# Altium PCB PCB_v2.PcbDoc (part 2 of 8) (continued)
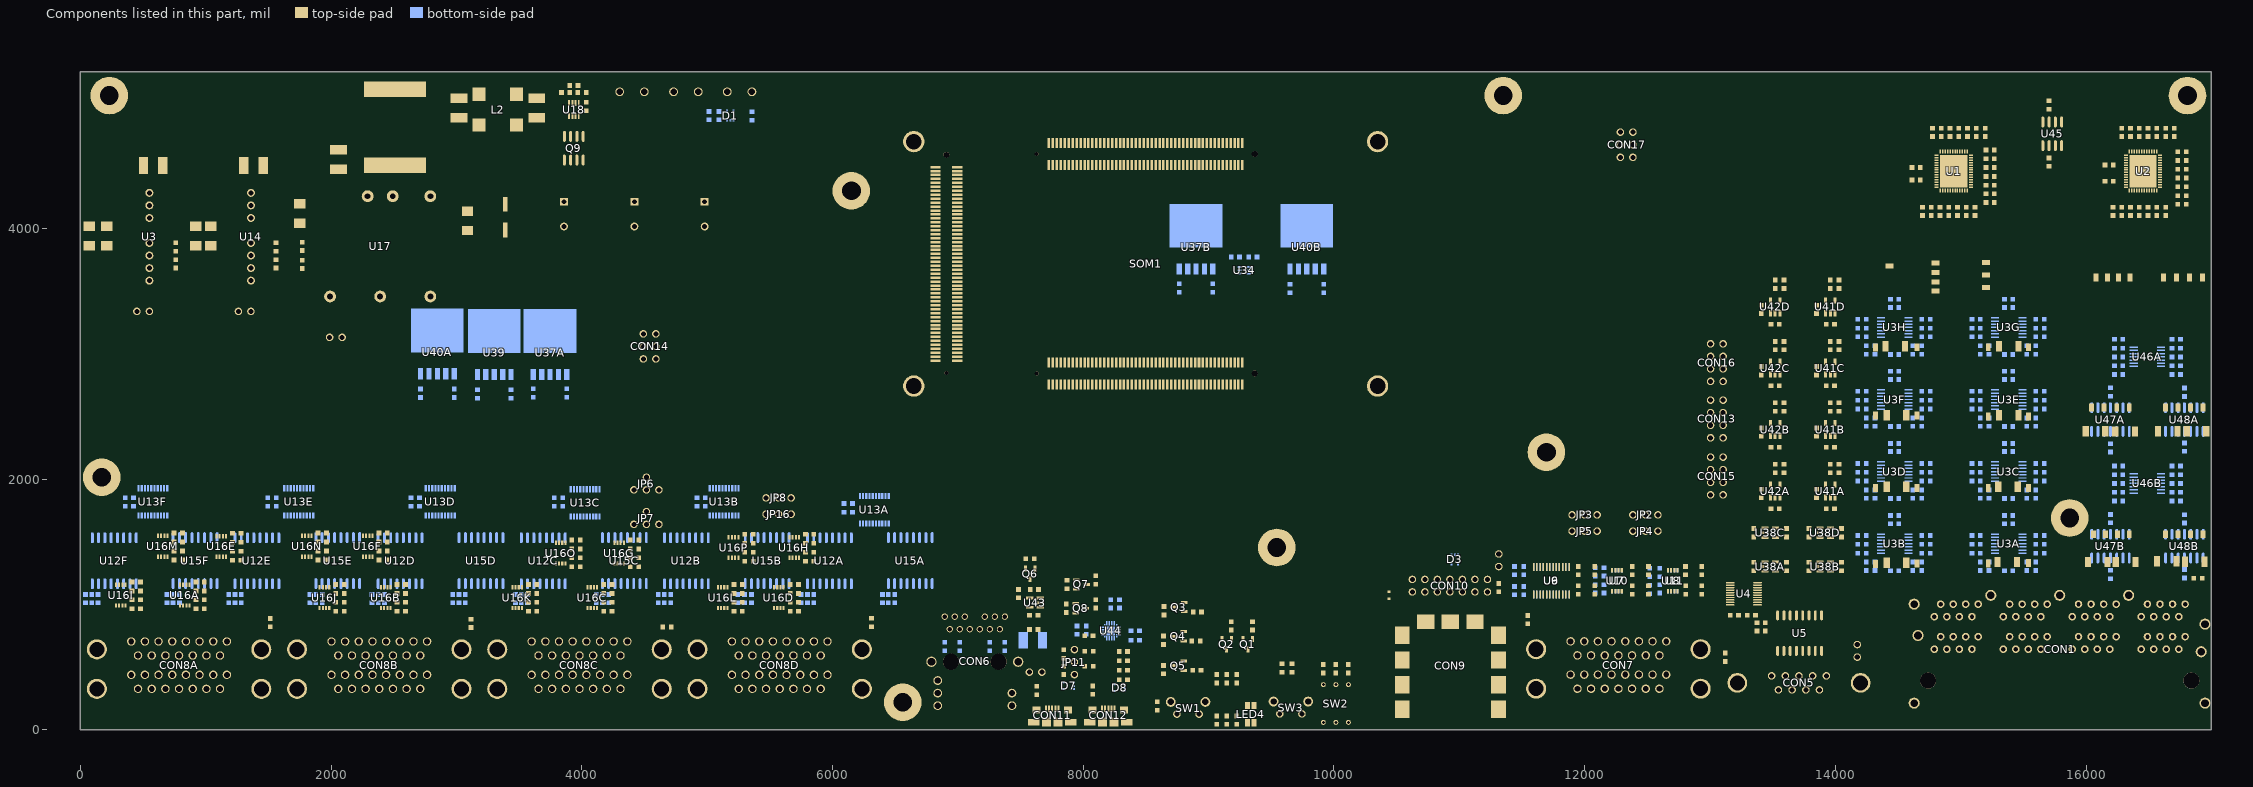
[diagram p4: the components of this part, seen from the top]
## Footprints (in the part's own frame and the unit in brackets; to place one, negate y for a bottom-side part, rotate by r counter-clockwise, add the part's x,y. Pads: shape width x height; smd on the part's side, far side on the other; paste and mask are expansions set on the pad) (continued)
  silkscreen extent -2.77,-2.9 2.55,1.55
TSSOP24 [mm] "Shrink Small Outline; 24 Leads; Body Width 4.4 mm; Pitch 0.65 mm"
  rect 0.3x1.6 smd: 1(-3.575,-2.8) 2(-2.925,-2.8) 3(-2.275,-2.8) 4(-1.625,-2.8) 5(-0.975,-2.8) 6(-0.325,-2.8) 7(0.325,-2.8) 8(0.975,-2.8) 9(1.625,-2.8) 10(2.275,-2.8) 11(2.925,-2.8) 12(3.575,-2.8) 13(3.575,2.8) 14(2.925,2.8) 15(2.275,2.8) 16(1.625,2.8) 17(0.975,2.8) 18(0.325,2.8) 19(-0.325,2.8) 20(-0.975,2.8) 21(-1.625,2.8) 22(-2.275,2.8) 23(-2.925,2.8) 24(-3.575,2.8)
  silkscreen extent -4.4,-2.92 4,1.6
TSSOP50P640-20N [mm] "TSSOP, 20-Leads, Body 5x4.4mm, Pitch 0.5mm, IPC Medium Density"
  oval 1.75x0.3 smd: 1(-2.775,2.25) 2(-2.775,1.75) 3(-2.775,1.25) 4(-2.775,0.75) 5(-2.775,0.25) 6(-2.775,-0.25) 7(-2.775,-0.75) 8(-2.775,-1.25) 9(-2.775,-1.75) 10(-2.775,-2.25) 11(2.775,-2.25) 12(2.775,-1.75) 13(2.775,-1.25) 14(2.775,-0.75) 15(2.775,-0.25) 16(2.775,0.25) 17(2.775,0.75) 18(2.775,1.25) 19(2.775,1.75) 20(2.775,2.25)
  silkscreen extent -2.9,-2.55 1.5,3.07, body extent -2.25,-2.55 2.25,2.55, height 1.2
TSSOP-20 [mm]
  rect 0.45x1.25 smd: 1(0,0) 2(0.65,0) 3(1.3,0) 4(1.95,0) 5(2.6,0) 6(3.25,0) 7(3.9,0) 8(4.55,0) 9(5.2,0) 10(5.85,0) 11(5.85,5.55) 12(5.2,5.55) 13(4.55,5.55) 14(3.9,5.55) 15(3.25,5.55) 16(2.6,5.55) 17(1.95,5.55) 18(1.3,5.55) 19(0.65,5.55) 20(0,5.55)
  silkscreen extent -1.11,-0.71 6.02,6.27, body extent -0.38,-0.53 6.22,6.07, height 1.2

## Part data
C1 C6 C11 C15 C24 C31 C37 C43: Capacitance=100pF, Case/Package=0603, Case Code (Metric)=1608, Dielectric=X7R, Manufacturer=Samsung, Manufacturer Part Number=CL10B101KB8NNNC, Max Operating Temperature=125°C, Min Operating Temperature=-55°C, Package Quantity=1, Supplier Part Number 1=1276-1909-6-ND, Tolerance=10%, Voltage Rating=50V, Case Code (Imperial)=0603, ComponentLink1Description=https://datasheet.ciiva.com/26920/getdatasheetpartid-690677-26920180.pdf, ComponentLink1URL=https://datasheet.ciiva.com/26920/getdatasheetpartid-690677-26920180.pdf, ComponentLink2Description=https://datasheet.ciiva.com/16437/cl05b104kq5nnnc-16437324.pdf, ComponentLink2URL=https://datasheet.ciiva.com/16437/cl05b104kq5nnnc-16437324.pdf, Depth=0.8mm, Height=0.8mm, Length=1.6mm, Mount="Surface Mount", Packaging="Tape and Reel", Pricing 1="1=0.1, 10=0.036, 100=0.0159, 500=0.01138, 1000=0.00894 (USD)", Radiation Hardening=No, Stock 1=40000, Supplier 1=Digi-Key, Thickness=0.035inch, Width=0.031inch
C2 C4 C5 C7 C9 C10 C12 C14 C16 C18 C25 C27 C28 C32 C34 C35 C38 C40 C44 C46 C50 C51 C52 C54 C55 C56 C57 C58 C59 C60 C63 C64 C67 C68 C71 C72 C75 C76 C79 C80 C83 C84 C91A C91B C91C C91D C91E C91F C92A C92B C92C C92D C92E C92F C93A C93B C93C C93D C93E C93F C93G C93H C93I C93J C93K C93L C93M C93N C93O C93P C94A C94B C94C C94D C94E C94F C94G C94H C94I C94J C94K C94L C94M C94N C94O C94P C95A C95B C95C C95D C95E C95F C96A C96B C96C C96D C96E C96F C97A C97B C97C C97D C97E C97F C98A C98B C98C C98D C98E C98F C99A C99B C99C C99D C99E C99F C100A C100B C100C C100D C100E C100F C172 C174 C176: Capacitance=100nF, Case/Package=0603, Case Code (Metric)=1608, Dielectric=Y5V, Manufacturer=Samsung, Manufacturer Part Number=CL10F104ZB8NNNC, Max Operating Temperature=85°C, Min Operating Temperature=-30°C, Package Quantity=1, Supplier Part Number 1=1276-1012-6-ND, Tolerance=80%, Voltage=50V, Case Code (Imperial)=0603, ComponentLink1Description=https://datasheet.ciiva.com/16396/cl10f104zb8nnnc-16396980.pdf, ComponentLink1URL=https://datasheet.ciiva.com/16396/cl10f104zb8nnnc-16396980.pdf, ComponentLink2Description=https://datasheet.ciiva.com/15195/getdatasheetpartid-355329-15195846.pdf, ComponentLink2URL=https://datasheet.ciiva.com/15195/getdatasheetpartid-355329-15195846.pdf, ComponentLink3Description=https://datasheet.ciiva.com/26310/mlcc-catalogdownload2013-eng-26310342.pdf, ComponentLink3URL=https://datasheet.ciiva.com/26310/mlcc-catalogdownload2013-eng-26310342.pdf, ComponentLink4Description=https://datasheet.ciiva.com/29198/456692-da-01-en-vs-kondensator-0603-29198848.pdf, ComponentLink4URL=https://datasheet.ciiva.com/29198/456692-da-01-en-vs-kondensator-0603-29198848.pdf, Contact Plating=Tin, Depth=0.8mm, Height=0.8mm, Length=1.6mm, Material=Ceramic, Mount="Surface Mount", Packaging="Tape and Reel", Pricing 1="1=0.1, 10=0.033, 100=0.0148, 500=0.01058, 1000=0.00832 (USD)", Radiation Hardening=No, Stock 1=40000, Supplier 1=Digi-Key, Thickness=0.035inch, Voltage Rating=50V, Width=0.031inch
C3 C8 C13 C17 C20 C21 C22 C26 C29 C30 C33 C36 C39 C41 C45: Capacitance=10uF, Case/Package=0603, Case Code (Metric)=1608, Dielectric=X5R, Manufacturer=Samsung, Manufacturer Part Number=CL10A106MQ8NNNC, Max Operating Temperature=85°C, Min Operating Temperature=-55°C, Package Quantity=1, Supplier Part Number 1=1276-1119-6-ND, Tolerance=20%, Voltage=6.3V, Case Code (Imperial)=0603, ComponentLink1Description=https://datasheet.ciiva.com/25798/cl10a106mq8nnnc-25798320.pdf, ComponentLink1URL=https://datasheet.ciiva.com/25798/cl10a106mq8nnnc-25798320.pdf, ComponentLink2Description=https://datasheet.ciiva.com/26838/getdatasheetpartid-357557-26838347.pdf, ComponentLink2URL=https://datasheet.ciiva.com/26838/getdatasheetpartid-357557-26838347.pdf, ComponentLink3Description=https://datasheet.ciiva.com/16437/cl05b104kq5nnnc-16437327.pdf, ComponentLink3URL=https://datasheet.ciiva.com/16437/cl05b104kq5nnnc-16437327.pdf, Contact Plating=Tin, Depth=0.8mm, Height=0.8mm, Length=1.6mm, Mount="Surface Mount", Packaging="Tape and Reel", Pricing 1="1=0.17, 10=0.122, 100=0.0575, 500=0.04034, 1000=0.03339 (USD)", Radiation Hardening=No, Stock 1=40000, Supplier 1=Digi-Key, Thickness=0.035inch, Voltage Rating=6.3V, Width=0.031inch
C19: Capacitance=10uF, Case/Package=0603, Case Code (Metric)=1608, Dielectric=X5R, Manufacturer=Samsung, Manufacturer Part Number=CL10A106KP8NNNC, Max Operating Temperature=85°C, Min Operating Temperature=-55°C, Package Quantity=1, Supplier Part Number 1=1276-1192-6-ND, Tolerance=10%, Voltage=6.3V, Voltage Rating=10V, Case Code (Imperial)=0603, ComponentLink1Description=https://datasheet.ciiva.com/26877/getdatasheetpartid-359551-26877881.pdf, ComponentLink1URL=https://datasheet.ciiva.com/26877/getdatasheetpartid-359551-26877881.pdf, ComponentLink2Description=https://datasheet.ciiva.com/16200/cl05b104kq5nnnc-16200766.pdf, ComponentLink2URL=https://datasheet.ciiva.com/16200/cl05b104kq5nnnc-16200766.pdf, ComponentLink3Description=https://datasheet.ciiva.com/29198/457369-da-01-en-vs-kondensator-0603-29198790.pdf, ComponentLink3URL=https://datasheet.ciiva.com/29198/457369-da-01-en-vs-kondensator-0603-29198790.pdf, ComponentLink4Description=https://datasheet.ciiva.com/25798/cl10a106mq8nnnc-25798320.pdf, ComponentLink4URL=https://datasheet.ciiva.com/25798/cl10a106mq8nnnc-25798320.pdf, ComponentLink5Description=https://datasheet.ciiva.com/26838/getdatasheetpartid-357557-26838347.pdf, ComponentLink5URL=https://datasheet.ciiva.com/26838/getdatasheetpartid-357557-26838347.pdf, ComponentLink6Description=https://datasheet.ciiva.com/16437/cl05b104kq5nnnc-16437327.pdf, ComponentLink6URL=https://datasheet.ciiva.com/16437/cl05b104kq5nnnc-16437327.pdf, Contact Plating=Tin, Depth=0.8mm, Height=0.8mm, Lead Free="Lead Free", Length=1.6mm, Material=Ceramic, Mount="Surface Mount", Packaging="Tape and Reel", Pricing 1="1=0.36, 10=0.248, 100=0.1403, 500=0.099, 1000=0.08663 (USD)", Pricing 2="1=0.17, 10=0.122, 100=0.0575, 500=0.04034, 1000=0.03339 (USD)", Radiation Hardening=No, Stock 1=40000, Stock 2=40000, Supplier 1=Digi-Key, Supplier 2=Digi-Key, Supplier Part Number 2=1276-1119-6-ND, Thickness=0.035inch, Voltage Rating (DC)=10V, Width=0.031inch
C23 C42 C53 C61 C62 C65 C66 C69 C70 C73 C74 C77 C78 C81 C82 C89A C89B C89C C89D C89E C89F C89G C89H C89I C89J C89K C89L C89M C89N C89O C89P C90A C90B C90C C90D C90E C90F C90G C90H C90I C90J C90K C90L C90M C90N C90O C90P C159A C159B C159C C159D C160A C160B C160C C160D C177 C179A C179B C180A C180B C183A C183B C184A C184B C187A C187B C188A C188B C189A C189B C189C C189D C189E C189F C189G C189H C190A C190B C190C C190D C190E C190F C190G C190H: Capacitance=1uF, Case/Package=0603, Case Code (Metric)=1608, Manufacturer=Samsung, Manufacturer Part Number=CL10B105MO8NNWC, Max Operating Temperature=125°C, Min Operating Temperature=-55°C, Supplier Part Number 1=1276-6524-6-ND, Tolerance=20%, Voltage Rating=16V, Case Code (Imperial)=0603, ComponentLink1Description=http://www.samsungsem.com/kr/support/product-search/mlcc/CL10B105MO8NNWC.jsp, ComponentLink1URL=http://www.samsungsem.com/kr/support/product-search/mlcc/CL10B105MO8NNWC.jsp, Length=0.063inch, Mount="Surface Mount", Packaging="Tape and Reel", Pricing 1="1=0.1, 10=0.032, 100=0.0142, 500=0.01016, 1000=0.00798 (USD)", Stock 1=40000, Supplier 1=Digi-Key, Thickness=0.035inch, Width=0.031inch
C47A C47B C47C C47D C47E C47F C47G C47H C49A C49B C49C C49D C49E C49F C49G C49H: Capacitance=1nF, Case/Package=0603, Dielectric=X7R, Dielectric Material=Ceramic, Manufacturer=KEMET, Manufacturer Part Number=C0603C102J5RAC7867, Max Operating Temperature=125°C, Min Operating Temperature=-55°C, Supplier Part Number 1=399-1083-6-ND, Tolerance=5%, Voltage Rating (DC)=50V, ComponentLink1Description=https://datasheet.ciiva.com/45846/docfinderpartnumberc0402c102k5ractu-45846924.pdf, ComponentLink1URL=https://datasheet.ciiva.com/45846/docfinderpartnumberc0402c102k5ractu-45846924.pdf, Depth=0.8mm, Height=0.8mm, Length=1.6mm, Mount="Surface Mount", Packaging="Tape and Reel", Pricing 1="1=0.1, 10=0.051, 100=0.0225, 500=0.0161, 1000=0.01265 (USD)", Radiation Hardening=No, Stock 1=40000, Supplier 1=Digi-Key
C48A C48B C48C C48D C48E C48F C48G C48H: Capacitance=33nF, Case/Package=0603, Case Code (Metric)=1608, Dielectric=X7R, Manufacturer=Samsung, Manufacturer Part Number=CL10B333KA8NNNC, Max Operating Temperature=125°C, Min Operating Temperature=-55°C, Package Quantity=1, Supplier Part Number 1=1276-2038-6-ND, Tolerance=10%, Voltage Rating=25V, Case Code (Imperial)=0603, ComponentLink1Description=https://datasheet.ciiva.com/25781/cl10b333ka8nnnc-25781520.pdf, ComponentLink1URL=https://datasheet.ciiva.com/25781/cl10b333ka8nnnc-25781520.pdf, ComponentLink2Description=https://datasheet.ciiva.com/16218/cl05b104kq5nnnc-16218987.pdf, ComponentLink2URL=https://datasheet.ciiva.com/16218/cl05b104kq5nnnc-16218987.pdf, ComponentLink3Description=https://datasheet.ciiva.com/26838/getdatasheetpartid-745367-26838459.pdf, ComponentLink3URL=https://datasheet.ciiva.com/26838/getdatasheetpartid-745367-26838459.pdf, Depth=0.8mm, Height=0.8mm, Lead Free="Lead Free", Length=1.6mm, Mount="Surface Mount", Packaging="Tape and Reel", Pricing 1="1=0.1, 10=0.051, 100=0.0225, 500=0.0161, 1000=0.01265 (USD)", Radiation Hardening=No, Stock 1=40000, Supplier 1=Digi-Key, Thickness=0.035inch, Voltage Rating (DC)=25V, Width=0.031inch
C87 C105 C109 C110 C112 C113: Capacitance=1nF, Case/Package=1808, Case Code (Metric)=4520, Dielectric=X7R, Manufacturer=Johanson, Manufacturer Part Number=202R29W102KV4E, Max Operating Temperature=125°C, Min Operating Temperature=-55°C, Package Quantity=2000, Supplier Part Number 1=709-1046-6-ND, Tolerance=10%, Voltage Rating=2kV, Case Code (Imperial)=1808, ComponentLink1Description=https://datasheet.ciiva.com/15218/getdatasheetpartid-178780-15218981.pdf, ComponentLink1URL=https://datasheet.ciiva.com/15218/getdatasheetpartid-178780-15218981.pdf, ComponentLink2Description=https://datasheet.ciiva.com/8032/87135-8032170.pdf, ComponentLink2URL=https://datasheet.ciiva.com/8032/87135-8032170.pdf, ComponentLink3Description=https://datasheet.ciiva.com/22693/1909358-22693786.pdf, ComponentLink3URL=https://datasheet.ciiva.com/22693/1909358-22693786.pdf, ComponentLink4Description=https://datasheet.ciiva.com/28453/1909358-28453514.pdf, ComponentLink4URL=https://datasheet.ciiva.com/28453/1909358-28453514.pdf, Depth=2.03mm, Height=2.16mm, Length=4.8mm, Mount="Surface Mount", Number of Pins=2, Packaging="Tape and Reel", Pricing 1="1=0.77, 10=0.541, 100=0.3566, 500=0.26414, 1000=0.22451 (USD)", Radiation Hardening=No, REACH SVHC="No SVHC", Stock 1=20000, Supplier 1=Digi-Key, Termination=SMD/SMT, Thickness=0.085inch, Voltage Rating (DC)=2kV, Width=2.03mm
C88 C115 C116: Capacitance=10uF, Case/Package=0603, Case Code (Metric)=1608, Dielectric=X5R, Dielectric Material=Ceramic, Manufacturer=TDK, Manufacturer Part Number=C1608X5R1E106M080AC, Max Operating Temperature=85°C, Min Operating Temperature=-55°C, Package Quantity=1, Supplier Part Number 1=445-9015-6-ND, Tolerance=20%, Voltage Rating=25V, Case Code (Imperial)=0603, ComponentLink1Description=https://product.tdk.com/info/en/catalog/datasheets/mlcc_commercial_general_en.pdf, ComponentLink1URL=https://product.tdk.com/info/en/catalog/datasheets/mlcc_commercial_general_en.pdf, ComponentLink2Description=http://www.farnell.com/datasheets/2291921.pdf, ComponentLink2URL=http://www.farnell.com/datasheets/2291921.pdf, ComponentLink3Description=http://www.farnell.com/datasheets/1913358.pdf, ComponentLink3URL=http://www.farnell.com/datasheets/1913358.pdf, ComponentLink4Description=http://components.arrow.com/part/dataview/57436044S459551N1165, ComponentLink4URL=http://components.arrow.com/part/dataview/57436044S459551N1165, ComponentLink5Description=http://components.arrow.com/part/dataview/0323_06887183, ComponentLink5URL=http://components.arrow.com/part/dataview/0323_06887183, Composition=Ceramic, Depth=0.8mm, Height=0.8mm, Lead Free="Lead Free", Length=1.6mm, Mount="Surface Mount", Packaging="Tape and Reel", Pricing 1="1=0.96, 10=0.704, 100=0.483, 500=0.38238, 1000=0.322 (USD)", REACH SVHC="No SVHC", Stock 1=40000, Supplier 1=Digi-Key, Termination=SMD/SMT, Thickness=0.039inch, Voltage Rating (DC)=25V, Weight=7.1E-05oz, Width=0.8mm
C101: "Polarized Capacitor (Radial)", Capacitance=100uF, Case/Package=Radial, Dielectric Material=Aluminium, Leakage Current=3uA, Manufacturer=Nichicon, Manufacturer Part Number=UWT1V101MCL1GS, Max Operating Temperature=105°C, Min Operating Temperature=-55°C, Package Quantity=900, Ripple Current=84mA, Supplier Part Number 1=493-2203-6-ND, Tolerance=20%, Voltage=35V, ComponentLink1Description=https://datasheet.ciiva.com/96/e-wt-96659.pdf, ComponentLink1URL=https://datasheet.ciiva.com/96/e-wt-96659.pdf, ComponentLink2Description=https://datasheet.ciiva.com/96/e-wt-96660.pdf, ComponentLink2URL=https://datasheet.ciiva.com/96/e-wt-96660.pdf, ComponentLink3Description=https://datasheet.ciiva.com/96/e-wt-96661.pdf, ComponentLink3URL=https://datasheet.ciiva.com/96/e-wt-96661.pdf, ComponentLink4Description=https://datasheet.ciiva.com/11778/0900766b80fa3a91-11778473.pdf, ComponentLink4URL=https://datasheet.ciiva.com/11778/0900766b80fa3a91-11778473.pdf, ComponentLink5Description=https://datasheet.ciiva.com/15199/getdatasheetpartid-450031-15199274.pdf, ComponentLink5URL=https://datasheet.ciiva.com/15199/getdatasheetpartid-450031-15199274.pdf, ComponentLink6Description=https://datasheet.ciiva.com/17528/e-wt-17528043.pdf, ComponentLink6URL=https://datasheet.ciiva.com/17528/e-wt-17528043.pdf, ComponentLink7Description=https://datasheet.ciiva.com/11687/e-wt-11687372.pdf, ComponentLink7URL=https://datasheet.ciiva.com/11687/e-wt-11687372.pdf, ComponentLink8Description=https://datasheet.ciiva.com/16294/e-wt-16294316.pdf, ComponentLink8URL=https://datasheet.ciiva.com/16294/e-wt-16294316.pdf, Diameter=6.3mm, Dissipation Factor=0.14%, Height=7.7mm, Height - Seated (Max)=0.303inch, Lead Diameter=0.8mm, Lead Free="Lead Free", Lead Pitch=2.2mm, Length=7.7mm, Life (Hours)=1000Hour, Mount="Surface Mount,PCB", Number of Pins=2, Packaging="Tape and Reel", Pricing 1="1=0.39, 10=0.274, 100=0.1641 (USD)", Radiation Hardening=No, REACH SVHC="No SVHC", Ripple Current (AC)=84mA, Supplier 1=Digi-Key, Termination=SMD/SMT, Voltage Rating=35V, Voltage Rating (DC)=35V
C102 C103 C104: "Polarized Capacitor (Radial)", Capacitance=1000uF, Case/Package=Radial, Dielectric Material=Aluminium, Leakage Current=1.5mA, Manufacturer=Nichicon, Manufacturer Part Number=UVR1H102MHD1TO, Max Operating Temperature=85°C, Min Operating Temperature=-40°C, Package Quantity=500, Ripple Current=1.35A, Supplier Part Number 1=493-12786-1-ND, Tolerance=20%, Voltage=50V, ComponentLink1Description=https://datasheet.ciiva.com/5333/e-vr-6088-5333431.pdf, ComponentLink1URL=https://datasheet.ciiva.com/5333/e-vr-6088-5333431.pdf, ComponentLink2Description=https://datasheet.ciiva.com/28592/1909356-28592506.pdf, ComponentLink2URL=https://datasheet.ciiva.com/28592/1909356-28592506.pdf, ComponentLink3Description=https://datasheet.ciiva.com/7781/e-vr-7781741.pdf, ComponentLink3URL=https://datasheet.ciiva.com/7781/e-vr-7781741.pdf, ComponentLink4Description=https://datasheet.ciiva.com/29547/e-vr-29547646.pdf, ComponentLink4URL=https://datasheet.ciiva.com/29547/e-vr-29547646.pdf, ComponentLink5Description=https://datasheet.ciiva.com/14597/70187464-14597647.pdf, ComponentLink5URL=https://datasheet.ciiva.com/14597/70187464-14597647.pdf, ComponentLink6Description=https://datasheet.ciiva.com/16512/e-vr-16512911.pdf, ComponentLink6URL=https://datasheet.ciiva.com/16512/e-vr-16512911.pdf, ComponentLink7Description=https://datasheet.ciiva.com/29547/e-vr-29547647.pdf, ComponentLink7URL=https://datasheet.ciiva.com/29547/e-vr-29547647.pdf, Contact Plating=Tin, Diameter=12.5mm, Dissipation Factor=0.12%, Height=25mm, Height - Seated (Max)=1.063inch, Lead Diameter=0.6mm, Lead Free="Lead Free", Lead Pitch=5mm, Length=25mm, Life (Hours)=2000Hour, Mount="Through Hole,PCB", Number of Pins=2, Packaging="Tape and Reel", Pricing 1="1=0.94, 10=0.714, 100=0.511 (USD)", REACH SVHC="No SVHC", Stock 1=23653, Supplier 1=Digi-Key, Termination=Radial, Voltage Rating=50V, Voltage Rating (DC)=50V
C106 C107 C108 C111 C114: Capacitance=6.8uF, Case/Package=1812, Case Code (Metric)=4532, Dielectric=X7R, Dielectric Material=Ceramic, Manufacturer=TDK, Manufacturer Part Number=C4532X7R1H685K250KB, Max Operating Temperature=125°C, Min Operating Temperature=-55°C, Package Quantity=1, Supplier Part Number 1=445-3919-6-ND, Tolerance=10%, Voltage=50V, Case Code (Imperial)=1812, ComponentLink1Description=https://datasheet.ciiva.com/7878/1571323-7878149.pdf, ComponentLink1URL=https://datasheet.ciiva.com/7878/1571323-7878149.pdf, ComponentLink2Description=https://datasheet.ciiva.com/22694/1796654-22694197.pdf, ComponentLink2URL=https://datasheet.ciiva.com/22694/1796654-22694197.pdf, ComponentLink3Description=https://datasheet.ciiva.com/17487/e412-c-17487174.pdf, ComponentLink3URL=https://datasheet.ciiva.com/17487/e412-c-17487174.pdf, ComponentLink4Description=https://datasheet.ciiva.com/6253/tdkmlcccaprange-6253335.pdf, ComponentLink4URL=https://datasheet.ciiva.com/6253/tdkmlcccaprange-6253335.pdf, ComponentLink5Description=https://datasheet.ciiva.com/22648/1796654-22648727.pdf, ComponentLink5URL=https://datasheet.ciiva.com/22648/1796654-22648727.pdf, ComponentLink6Description=https://datasheet.ciiva.com/24218/c4532x7r1h685k250kb-265674-24218375.pdf, ComponentLink6URL=https://datasheet.ciiva.com/24218/c4532x7r1h685k250kb-265674-24218375.pdf, ComponentLink7Description=https://datasheet.ciiva.com/6154/1571323-6154009.pdf, ComponentLink7URL=https://datasheet.ciiva.com/6154/1571323-6154009.pdf, ComponentLink8Description=https://datasheet.ciiva.com/11788/0900766b80c1bb00-11788313.pdf, ComponentLink8URL=https://datasheet.ciiva.com/11788/0900766b80c1bb00-11788313.pdf, ComponentLink9Description=https://datasheet.ciiva.com/6253/tdkmlcccaprange-6253338.pdf, ComponentLink9URL=https://datasheet.ciiva.com/6253/tdkmlcccaprange-6253338.pdf, Composition=Ceramic, Depth=3.2mm, Height=2.5mm, Lead Free="Lead Free", Length=4.5mm, Mount="Surface Mount", Number of Pins=2, Packaging="Tape and Reel", Pricing 1="1=1.62, 10=1.281, 100=0.9606 (USD)", Radiation Hardening=No, REACH SVHC="No SVHC", Stock 1=5000, Supplier 1=Digi-Key, Termination=SMD/SMT, Thickness=0.11inch, Voltage Rating=50V, Voltage Rating (DC)=50V, Weight=0.000952oz, Width=0.126inch
C157A C157B C158A C158B C161 C162 C163A C163B C164A C164B: Capacitance=10uF, Case/Package=0603, Case Code (Metric)=1608, Dielectric=X5R, Manufacturer=Samsung, Manufacturer Part Number=CL10A106KP8NNNC, Max Operating Temperature=85°C, Min Operating Temperature=-55°C, Package Quantity=1, Supplier Part Number 1=1276-1192-6-ND, Tolerance=10%, Voltage Rating=10V, Case Code (Imperial)=0603, ComponentLink1Description=https://datasheet.ciiva.com/26877/getdatasheetpartid-359551-26877881.pdf, ComponentLink1URL=https://datasheet.ciiva.com/26877/getdatasheetpartid-359551-26877881.pdf, ComponentLink2Description=https://datasheet.ciiva.com/16200/cl05b104kq5nnnc-16200766.pdf, ComponentLink2URL=https://datasheet.ciiva.com/16200/cl05b104kq5nnnc-16200766.pdf, ComponentLink3Description=https://datasheet.ciiva.com/29198/457369-da-01-en-vs-kondensator-0603-29198790.pdf, ComponentLink3URL=https://datasheet.ciiva.com/29198/457369-da-01-en-vs-kondensator-0603-29198790.pdf, Contact Plating=Tin, Depth=0.8mm, Height=0.8mm, Lead Free="Lead Free", Length=1.6mm, Material=Ceramic, Mount="Surface Mount", Packaging="Tape and Reel", Pricing 1="1=0.36, 10=0.248, 100=0.1403, 500=0.099, 1000=0.08663 (USD)", Radiation Hardening=No, Stock 1=40000, Supplier 1=Digi-Key, Thickness=0.035inch, Voltage Rating (DC)=10V, Width=0.031inch
C165A C165B C165C C165D C166A C166B C166C C166D C167A C167B C167C C167D C168A C168B C168C C168D C169 C173 C175 C178: Capacitance=2.2uF, Case/Package=0603, Case Code (Metric)=1608, Dielectric=X5R, Manufacturer=Murata, Manufacturer Part Number=GRM188R6YA225MA12D, Max Operating Temperature=85°C, Min Operating Temperature=-55°C, Package Quantity=4000, Supplier Part Number 1=490-10486-6-ND, Tolerance=20%, Voltage Rating=35V, Case Code (Imperial)=0603, ComponentLink1Description=http://search.murata.co.jp/Ceramy/image/img/A01X/G101/ENG/GRM188R6YA225MA12-01.pdf, ComponentLink1URL=http://search.murata.co.jp/Ceramy/image/img/A01X/G101/ENG/GRM188R6YA225MA12-01.pdf, ComponentLink2Description=http://search.murata.co.jp/Ceramy/image/img/A01X/partnumbering_e_01.pdf, ComponentLink2URL=http://search.murata.co.jp/Ceramy/image/img/A01X/partnumbering_e_01.pdf, ComponentLink3Description=http://www.mouser.com/ds/2/281/c02e-2905.pdf, ComponentLink3URL=http://www.mouser.com/ds/2/281/c02e-2905.pdf, Height=0.8mm, Length=0.063inch, Mount="Surface Mount", Packaging="Tape and Reel", Pricing 1="1=0.21, 10=0.142, 100=0.0721, 500=0.04934, 1000=0.04364 (USD)", Stock 1=30635, Supplier 1=Digi-Key, Termination=SMD/SMT, Thickness=0.035inch, Voltage Rating (DC)=35V, Weight=0.000222oz, Width=0.031inch
C170: Capacitance=100uF, Case/Package=1812, Case Code (Metric)=4532, Dielectric=X5R, Dielectric Material=Ceramic, Manufacturer=TDK, Manufacturer Part Number=C4532X5R1A107M280KC, Max Operating Temperature=85°C, Min Operating Temperature=-55°C, Package Quantity=1, Supplier Part Number 1=445-7743-6-ND, Tolerance=20%, Voltage Rating=10V, Case Code (Imperial)=1812, ComponentLink1Description=https://datasheet.ciiva.com/6258/tdkmlcccaprange-6258407.pdf, ComponentLink1URL=https://datasheet.ciiva.com/6258/tdkmlcccaprange-6258407.pdf, ComponentLink2Description=https://datasheet.ciiva.com/24216/c4532x5r1a107m280kc-265401-24216024.pdf, ComponentLink2URL=https://datasheet.ciiva.com/24216/c4532x5r1a107m280kc-265401-24216024.pdf, ComponentLink3Description=https://datasheet.ciiva.com/6258/tdkmlcccaprange-6258410.pdf, ComponentLink3URL=https://datasheet.ciiva.com/6258/tdkmlcccaprange-6258410.pdf, ComponentLink4Description=https://datasheet.ciiva.com/24486/1812c4532x5r1a107m280kc-24486251.pdf, ComponentLink4URL=https://datasheet.ciiva.com/24486/1812c4532x5r1a107m280kc-24486251.pdf, ComponentLink5Description=https://datasheet.ciiva.com/6258/tdkmlcccaprange-6258413.pdf, ComponentLink5URL=https://datasheet.ciiva.com/6258/tdkmlcccaprange-6258413.pdf, Composition=Ceramic, Depth=3.2mm, Height=2.5mm, Lead Free="Lead Free", Length=4.5mm, Mount="Surface Mount", Number of Pins=2, Packaging="Tape and Reel", Pricing 1="1=2.2, 10=1.779, 100=1.3584 (USD)", Radiation Hardening=No, REACH SVHC="No SVHC", Stock 1=5000, Supplier 1=Digi-Key, Termination=SMD/SMT, Thickness=0.122inch, Voltage Rating (DC)=10V, Weight=0.000952oz, Width=0.126inch
C171: Capacitance=22uF, Case/Package=0603, Case Code (Metric)=1608, Manufacturer=Samsung, Manufacturer Part Number=CL10A226MPCNUBE, Max Operating Temperature=85°C, Min Operating Temperature=-55°C, Supplier Part Number 1=1276-6504-6-ND, Tolerance=20%, Voltage Rating=10V, Case Code (Imperial)=0603, ComponentLink1Description=http://www.samsungsem.com/kr/support/product-search/mlcc/CL10A226MPCNUBE.jsp, ComponentLink1URL=http://www.samsungsem.com/kr/support/product-search/mlcc/CL10A226MPCNUBE.jsp, ComponentLink2Description=http://www.samsungsem.com/kr/support/library/product-catalog/mlcc.jsp, ComponentLink2URL=http://www.samsungsem.com/kr/support/library/product-catalog/mlcc.jsp, Length=0.063inch, Mount="Surface Mount", Packaging="Tape and Reel", Pricing 1="1=0.4, 10=0.272, 100=0.1539, 500=0.10864, 1000=0.09505 (USD)", Stock 1=30000, Supplier 1=Digi-Key, Thickness=0.037inch, Width=0.031inch
C181A C181B C182A C182B C185A C185B C186A C186B: Capacitance=33nF, Case/Package=1206, Case Code (Metric)=3216, Dielectric=X7R, Dielectric Material=Ceramic, Manufacturer="Kyocera AVX", Manufacturer Part Number=12065C333KAT2A, Max Operating Temperature=125°C, Min Operating Temperature=-55°C, Package Quantity=1, Supplier Part Number 1=478-1548-6-ND, Tolerance=10%, Voltage=50V, Case Code (Imperial)=1206, ComponentLink1Description=https://datasheet.ciiva.com/25613/0900766b802d4697-25613091.pdf, ComponentLink1URL=https://datasheet.ciiva.com/25613/0900766b802d4697-25613091.pdf, ComponentLink2Description=https://datasheet.ciiva.com/151/cx7r-151861.pdf, ComponentLink2URL=https://datasheet.ciiva.com/151/cx7r-151861.pdf, ComponentLink3Description=https://datasheet.ciiva.com/7833/cx7r-7833445.pdf, ComponentLink3URL=https://datasheet.ciiva.com/7833/cx7r-7833445.pdf, ComponentLink4Description=https://datasheet.ciiva.com/16543/cx7r-16543717.pdf, ComponentLink4URL=https://datasheet.ciiva.com/16543/cx7r-16543717.pdf, ComponentLink5Description=https://datasheet.ciiva.com/151/cx7r-151862.pdf, ComponentLink5URL=https://datasheet.ciiva.com/151/cx7r-151862.pdf, ComponentLink6Description=https://datasheet.ciiva.com/151/cx7r-151863.pdf, ComponentLink6URL=https://datasheet.ciiva.com/151/cx7r-151863.pdf, ComponentLink7Description=https://datasheet.ciiva.com/11787/0900766b802d4698-11787159.pdf, ComponentLink7URL=https://datasheet.ciiva.com/11787/0900766b802d4698-11787159.pdf, ComponentLink8Description=https://datasheet.ciiva.com/5412/cx7r-218113-5412600.pdf, ComponentLink8URL=https://datasheet.ciiva.com/5412/cx7r-218113-5412600.pdf, ComponentLink9Description=https://datasheet.ciiva.com/19475/740527-19475934.pdf, ComponentLink9URL=https://datasheet.ciiva.com/19475/740527-19475934.pdf, ComponentLink10Description=https://datasheet.ciiva.com/2988/cx7r-2988143.pdf, ComponentLink10URL=https://datasheet.ciiva.com/2988/cx7r-2988143.pdf, ComponentLink11Description=https://datasheet.ciiva.com/11521/cx7r-11521055.pdf, ComponentLink11URL=https://datasheet.ciiva.com/11521/cx7r-11521055.pdf, Contact Plating=Tin,Matte, Depth=1.6mm, Dissipation Factor=2.5%, Height=0.94mm, Lead Free="Lead Free", Length=3.2mm, Mount="Surface Mount", Number of Pins=2, Packaging="Tape and Reel", Pricing 1="1=0.36, 10=0.25, 100=0.1417, 500=0.10006, 1000=0.08754 (USD)", REACH SVHC=Unknown, Stock 1=21, Supplier 1=Digi-Key, Termination=SMD/SMT, Thickness=0.037inch, Voltage Rating=50V, Voltage Rating (DC)=50V, Width=1.6mm
CON1: "CONN MOD JACK 8P8C R/A SHIELDED", Flammability Rating="UL94 V-0", Housing Colour=Black, Manufacturer="TE Connectivity", Max Operating Temperature=80°C, Max Voltage Rating (AC)=150V, Min Operating Temperature=-40°C, Package Quantity=10, Supplier Part Number 1=A115463-ND, Approvals=UL,CSA, ComponentLink1Description=https://datasheet.ciiva.com/18490/eng-cd-5569257-a1-18490850.pdf, ComponentLink1URL=https://datasheet.ciiva.com/18490/eng-cd-5569257-a1-18490850.pdf, ComponentLink2Description=https://datasheet.ciiva.com/687/eng-cd-5569257-a1-687411.pdf, ComponentLink2URL=https://datasheet.ciiva.com/687/eng-cd-5569257-a1-687411.pdf, ComponentLink3Description=https://datasheet.ciiva.com/16398/5569257-1-16398308.pdf, ComponentLink3URL=https://datasheet.ciiva.com/16398/5569257-1-16398308.pdf, ComponentLink4Description=https://datasheet.ciiva.com/14619/70042889-14619676.pdf, ComponentLink4URL=https://datasheet.ciiva.com/14619/70042889-14619676.pdf, Connector Type=Jack, Contact Material=Bronze, Contact Plating=Gold, Depth=28.7mm, Direction="Up and Down", ELV=Compliant, Gender=Female, Housing Material=Polyester, Keyed=No, Lead Free="Lead Free", Length=59.18mm, Manufacturer Part Number=5569257-1, Number of Contacts=64, Number of Ports=8, Number of Positions=8, Number of Positions Loaded=64, Number of Rows=2, Orientation="Right Angle", Packaging=Tray, PCB Mounting Orientation="Right Angle", PCB Thickness=1.57mm, Pitch=2.54mm, Pricing 1="1=23.07, 10=20.825, 25=19.952, 50=18.705, 100=18.0815, 250=17.08392, 500=16.5851 (USD)", Radiation Hardening=No, Shielding=Shielded, Stock 1=80, Supplier 1=Digi-Key, Tail Length=3.56mm, Termination=Solder, Width=59.18mm
CON2 CON3 CON4: Case/Package=300, Current Rating=10A, Manufacturer="Phoenix Contact", Manufacturer Part Number=PT1,5/2-5.0-H, Supplier Part Number 1=277-1667-ND, Voltage Rating=300V, ComponentLink1Description=https://datasheet.ciiva.com/8033/528649-8033190.pdf, ComponentLink1URL=https://datasheet.ciiva.com/8033/528649-8033190.pdf, ComponentLink2Description=https://datasheet.ciiva.com/5765/528649-5765531.pdf, ComponentLink2URL=https://datasheet.ciiva.com/5765/528649-5765531.pdf, Number of Contacts=2, Pricing 1="1=0.41, 10=0.391, 50=0.374, 100=0.3638, 250=0.34, 500=0.3128, 1000=0.289 (USD)", REACH SVHC=Unknown, Stock 1=32456, Supplier 1=Digi-Key, Wire/Cable Gauge=26AWG
CON5: "CONN D-SUB RCPT 9POS R/A SOLDER", Manufacturer=Assmann, Manufacturer Part Number=A-DF09A/KG-T2S, Supplier Part Number 1=AE10921-ND, ComponentLink1Description=http://www.assmann-wsw.com/fileadmin/datasheets/ASS_4888_CO.pdf, ComponentLink1URL=http://www.assmann-wsw.com/fileadmin/datasheets/ASS_4888_CO.pdf, Number of Pins=9, Pricing 1="1=0.77, 10=0.681, 25=0.6408, 50=0.6142, 100=0.5874, 250=0.534, 500=0.4806, 1000=0.4272, 2500=0.38715 (USD)", Stock 1=28248, Supplier 1=Digi-Key
CON6: Case/Package=Metal, Colour=Green,Orange,Yellow,Silver, Manufacturer=Bel, Package Quantity=60, Supplier Part Number 1=380-1110-ND, ComponentLink1Description=https://datasheet.ciiva.com/688/l829-1j1t-43-688142.pdf, ComponentLink1URL=https://datasheet.ciiva.com/688/l829-1j1t-43-688142.pdf, ComponentLink2Description=https://datasheet.ciiva.com/41445/001196192-da-01-en-magjack-1xrj45-mit-leds-ulp-41445652.pdf, ComponentLink2URL=https://datasheet.ciiva.com/41445/001196192-da-01-en-magjack-1xrj45-mit-leds-ulp-41445652.pdf, Connector Type=RJ45,Socket, Contact Material=Gold, Contact Plating=Gold, Depth=24.13mm, Direction=Up, Housing Material=Thermoplastic, Length=17.78mm, Manufacturer Part Number=L829-1J1T-43, Mount="Through Hole", Number of Contacts=8, Number of Cores per Jack=8, Number of Ports=1, Number of Positions Loaded=8, Number of Rows=1, Orientation="Right Angle", Packaging=Tray, Pitch=2.03mm, Pricing 1="1=5.73, 10=5.496, 25=5.038, 50=4.809, 100=4.58, 250=4.00752, 500=3.893, 1000=3.3205, 2500=3.0915 (USD)", Shielding=Shielded, Stock 1=15163, Supplier 1=Digi-Key, Termination=Solder
CON7 CON8A CON8B CON8C CON8D: "CONN D-SUB RCPT 15POS R/A SLDR", Colour=Black, Current Rating=5A, Flammability Rating="UL94 V-0", Manufacturer=NorComp, Max Operating Temperature=105°C, Min Operating Temperature=-55°C, Package Quantity=35, Supplier Part Number 1=1115FFE-ND, Body Material=Steel, ComponentLink1Description=https://datasheet.ciiva.com/16342/178-yyy-513r571-16342488.pdf, ComponentLink1URL=https://datasheet.ciiva.com/16342/178-yyy-513r571-16342488.pdf, ComponentLink2Description=https://datasheet.ciiva.com/656/178-yyy-513r571-656074.pdf, ComponentLink2URL=https://datasheet.ciiva.com/656/178-yyy-513r571-656074.pdf, Connector Type=D-Sub,Receptacle,Signal, Contact Material=Brass, Contact Plating=Gold, Features=Shielded, Gender="Female to Female", Height=31.8mm, Housing Colour=Black, Housing Material=Nylon, Lead Free="Lead Free", Length=39mm, Manufacturer Part Number=178-015-513R571, Material=Metal, Mount="Through Hole,Edge", Number of Contacts=15, Number of Positions=15, Number of Rows=2, Packaging=Tray, Plating=Tin, Pricing 1="1=9.34, 10=8.932, 25=8.12, 50=7.714, 100=7.511, 250=6.699, 500=6.293, 1000=5.5622 (USD)", REACH SVHC="No SVHC", Shell Material=Tin, Stock 1=6279, Supplier 1=Digi-Key, Termination="Through Hole", Width=25.4mm
CON9: Manufacturer=Digilent, Manufacturer Part Number=410-308-B, Supplier Part Number 1=1286-1192-ND, Pricing 1="1=49 (USD)", Stock 1=0, Supplier 1=Digi-Key
CON10: Colour=Black, Current Rating=3A, Flammability Rating="UL94 V-0", Insulation Resistance=5GR, Manufacturer="Amphenol FCI", Manufacturer Part Number=67997-410HLF, Max Operating Temperature=125°C, Max Voltage Rating (AC)=1.5kV, Min Operating Temperature=-65°C, Package Quantity=100, Supplier Part Number 1=609-3243-ND, ComponentLink1Description=https://datasheet.ciiva.com/5156/67996-222158-5156678.pdf, ComponentLink1URL=https://datasheet.ciiva.com/5156/67996-222158-5156678.pdf, ComponentLink2Description=https://datasheet.ciiva.com/10140/67996-10140073.pdf, ComponentLink2URL=https://datasheet.ciiva.com/10140/67996-10140073.pdf, ComponentLink3Description=https://datasheet.ciiva.com/14639/70236883-14639562.pdf, ComponentLink3URL=https://datasheet.ciiva.com/14639/70236883-14639562.pdf, ComponentLink4Description=https://datasheet.ciiva.com/728/67996-728892.pdf, ComponentLink4URL=https://datasheet.ciiva.com/728/67996-728892.pdf, ComponentLink5Description=https://datasheet.ciiva.com/16726/67996-16726301.pdf, ComponentLink5URL=https://datasheet.ciiva.com/16726/67996-16726301.pdf, ComponentLink6Description=https://datasheet.ciiva.com/46393/1748781-46393134.pdf, ComponentLink6URL=https://datasheet.ciiva.com/46393/1748781-46393134.pdf, Connector Type="Male Pin", Contact Gender=Male, Contact Material=Bronze, Contact Mating Length=0.23inch, Contact Plating=Tin, Depth=4.83mm, Gender=Male, Housing Colour=Black, Housing Material=Thermoplastic, Length=12.7mm, Mating Post Length=5.84mm, Mount="Through Hole", Number of Contacts=10, Number of Positions=10, Number of Rows=2, Orientation=Straight, Packaging=Bulk, Pitch=2.54mm, Pricing 1="1=0.27, 10=0.259, 100=0.1811, 500=0.1552, 1000=0.12933, 5000=0.11085, 10000=0.10346 (USD)", REACH SVHC="No SVHC", Row Spacing=0.1inch, Stock 1=36488, Supplier 1=Digi-Key, Termination=Solder, Termination Post Length=3.05mm, Voltage Rating=1.5kV